# Altium PCB BTF16_2 (2).PcbDoc (part 1 of 4) (continued)
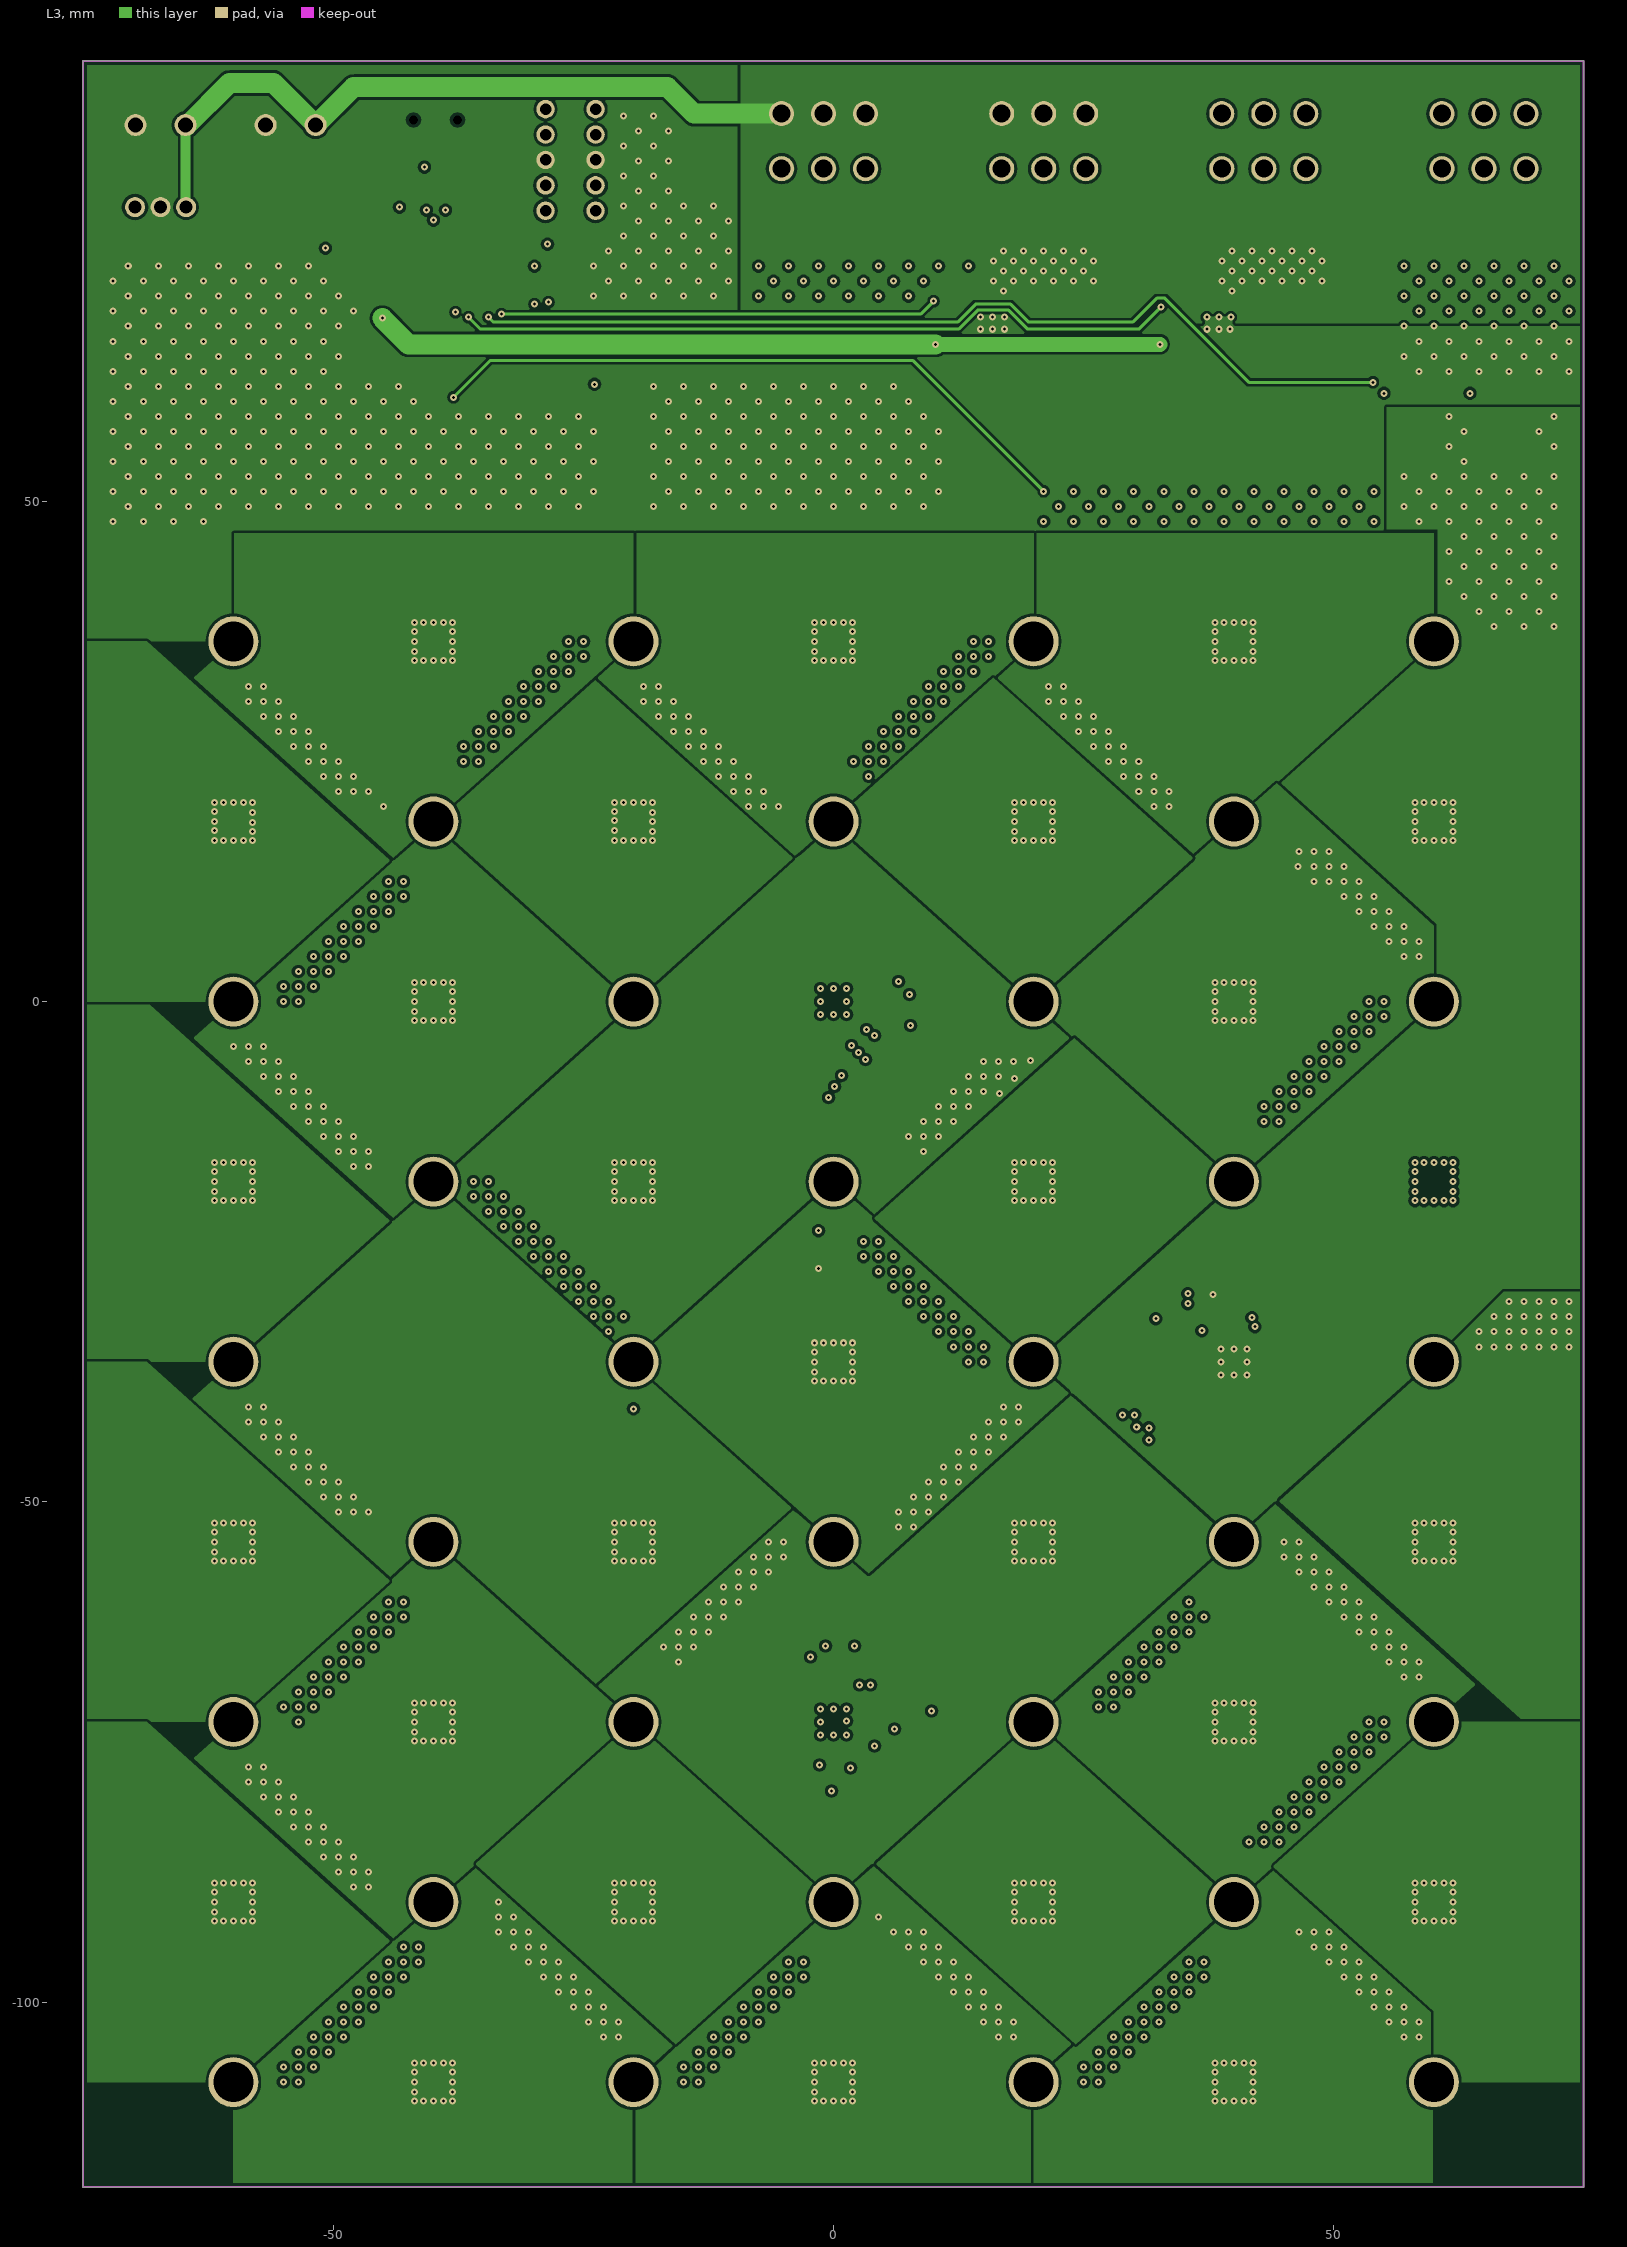
[diagram p3: L3]
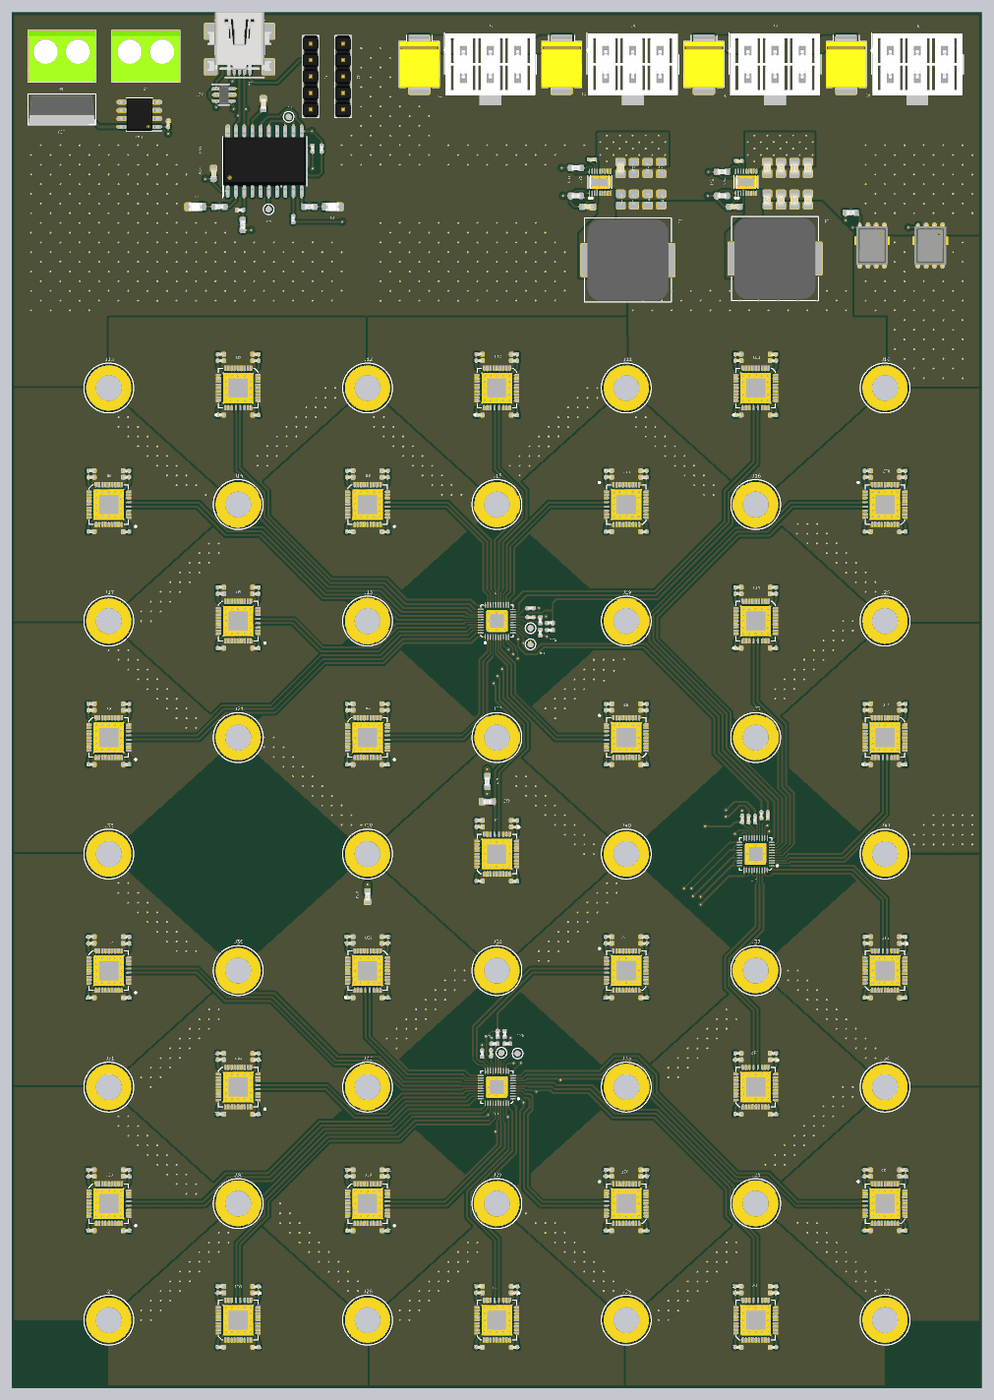
[diagram p7: 3D render of the assembled board from above, using the file's embedded part models]

## Layer stack, top to bottom
L1: signal copper 0.048
Dielectric: dielectric 0.18, FR-4, Dk 4.75
L2: signal copper 0.035
Dielectric: dielectric 1.08, FR-4, Dk 4.3
L3: signal copper 0.035
Dielectric: dielectric 0.18, FR-4, Dk 4.3
L4: signal copper 0.048

## Board outline
74.975,-118.486 -75.025,-118.486 -75.025,94.014 74.975,94.014

## Design rules (kind name [scope] priority, off if disabled: settings)
Clearance [InPolygon] p1: gap=0.3
Clearance "'Default' PADS rule_13" [All] p2: gap=0.2
Clearance "'Default' PADS rule_12" [InPolygon vs InPolygon] p3: gap=0.3
Clearance "'Default' PADS rule_11" [All] p4: gap=0.2
Clearance "'Default' PADS rule_8" [IsVia vs IsVia] p5: gap=0.1
ComponentClearance "'Default' PADS rule_5" [All] p1: gap=0 collisioncheckmode=3 verticalgap=0.254 showdistances=FALSE
PlaneClearance "Power Plane Clearance for J6-2" [(Name='J6-2') Or (Name='J7-1') Or (Name='J7-2') Or (Name='J8-1') Or (Name='J8-2') Or (Name='J8-3') Or (Name='J8-4') Or (Name='J8-5') Or (Name='J8-6') Or (Name='J9-1') Or (Name='J9-2') Or (Name='J9-3') Or (Name='J9-4') Or (Name='J9-5') Or (Name='J9-6') Or (Name='U30-1') Or (Name='U30-2') Or (Name='U30-3')] p1: clearance=0.5 // PAD - Power Plane Clearance
PlaneClearance "Power Plane Clearance for J3-10" [(Name='J3-10') Or (Name='J3-11')] p2: clearance=0.4 // PAD - Power Plane Clearance
PlaneClearance "Power Plane Clearance for J1-1" [(Name='J1-1') Or (Name='J1-2') Or (Name='J1-3') Or (Name='J1-4') Or (Name='J1-5') Or (Name='J10-1') Or (Name='J11-1') Or (Name='J12-1') Or (Name='J13-1') Or (Name='J14-1') Or (Name='J15-1') Or (Name='J16-1') Or (Name='J17-1') Or (Name='J18-1') Or (Name='J19-1') Or (Name='J2-1') Or (Name='J2-2') Or (Name='J2-3') Or (Name='J2-4') Or (Name='J2-5') Or (Name='J20-1') Or (Name='J21-1') Or (Name='J22-1') Or (Name='J23-1') Or (Name='J24-1') Or (Name='J25-1') Or (Name='J26-1') Or (Name='J27-1') Or (Name='J28-1') Or (Name='J29-1') Or (Name='J30-1') Or (Name='J31-1') Or (Name='J32-1') Or (Name='J33-1') Or (Name='J34-1') Or (Name='J35-1') Or (Name='J36-1') Or (Name='J37-1') Or (Name='J38-1') Or (Name='J39-1') Or (Name='J4-1') Or (Name='J4-2') Or (Name='J4-3') Or (Name='J4-4') Or (Name='J4-5') Or (Name='J4-6') Or (Name='J40-1') Or (Name='J41-1') Or (Name='J5-1') Or (Name='J5-2') Or (Name='J5-3') Or (Name='J5-4') Or (Name='J5-5') Or (Name='J5-6') Or (Name='J6-1')] p3: clearance=0.5 // PAD - Power Plane Clearance
PlaneClearance "'Default' PADS rule_7" [All] p4: clearance=0.3
PlaneConnect "Power Plane Connect Style for VIA70-30-95" [IsVia And (ViaDiameter=27.559) And (HoleSize=11.811)] p1: planeconnectstyle=Relief reliefexpansion=0.2 reliefentries=4 reliefconductorwidth=0.3 reliefairgap=0.254
PlaneConnect "Power Plane Connect Style for U30-1" [(Name='U30-1')] p2: planeconnectstyle=Relief reliefexpansion=0.3 reliefentries=4 reliefconductorwidth=0.3 reliefairgap=0.2
PlaneConnect "Power Plane Connect Style for J9-6" [(Name='J9-6')] p3: planeconnectstyle=Relief reliefexpansion=0.3 reliefentries=4 reliefconductorwidth=0.38 reliefairgap=0.254
PlaneConnect "Power Plane Connect Style for J9-5" [(Name='J9-5')] p4: planeconnectstyle=Relief reliefexpansion=0.3 reliefentries=4 reliefconductorwidth=0.38 reliefairgap=0.254
PlaneConnect "Power Plane Connect Style for J9-4" [(Name='J9-4')] p5: planeconnectstyle=Relief reliefexpansion=0.3 reliefentries=4 reliefconductorwidth=0.38 reliefairgap=0.254
PlaneConnect "Power Plane Connect Style for J9-3" [(Name='J9-3')] p6: planeconnectstyle=Relief reliefexpansion=0.3 reliefentries=4 reliefconductorwidth=0.38 reliefairgap=0.254
PlaneConnect "Power Plane Connect Style for J9-2" [(Name='J9-2')] p7: planeconnectstyle=Relief reliefexpansion=0.3 reliefentries=4 reliefconductorwidth=0.38 reliefairgap=0.254
PlaneConnect "Power Plane Connect Style for J9-1" [(Name='J9-1')] p8: planeconnectstyle=Relief reliefexpansion=0.3 reliefentries=4 reliefconductorwidth=0.38 reliefairgap=0.254
PlaneConnect "Power Plane Connect Style for J8-6" [(Name='J8-6')] p9: planeconnectstyle=Relief reliefexpansion=0.3 reliefentries=4 reliefconductorwidth=0.38 reliefairgap=0.254
PlaneConnect "Power Plane Connect Style for J8-5" [(Name='J8-5')] p10: planeconnectstyle=Relief reliefexpansion=0.3 reliefentries=4 reliefconductorwidth=0.38 reliefairgap=0.254
PlaneConnect "Power Plane Connect Style for J8-4" [(Name='J8-4')] p11: planeconnectstyle=Relief reliefexpansion=0.3 reliefentries=4 reliefconductorwidth=0.38 reliefairgap=0.254
PlaneConnect "Power Plane Connect Style for J8-3" [(Name='J8-3')] p12: planeconnectstyle=Relief reliefexpansion=0.3 reliefentries=4 reliefconductorwidth=0.38 reliefairgap=0.254
PlaneConnect "Power Plane Connect Style for J8-2" [(Name='J8-2')] p13: planeconnectstyle=Relief reliefexpansion=0.3 reliefentries=4 reliefconductorwidth=0.38 reliefairgap=0.254
PlaneConnect "Power Plane Connect Style for J8-1" [(Name='J8-1')] p14: planeconnectstyle=Relief reliefexpansion=0.3 reliefentries=4 reliefconductorwidth=0.38 reliefairgap=0.254
PlaneConnect "Power Plane Connect Style for J6-1" [(Name='J6-1')] p15: planeconnectstyle=Relief reliefexpansion=0.3 reliefentries=4 reliefconductorwidth=0.33 reliefairgap=0.2
PlaneConnect "Power Plane Connect Style for J5-6" [(Name='J5-6')] p16: planeconnectstyle=Relief reliefexpansion=0.3 reliefentries=4 reliefconductorwidth=0.38 reliefairgap=0.254
PlaneConnect "Power Plane Connect Style for J5-5" [(Name='J5-5')] p17: planeconnectstyle=Relief reliefexpansion=0.3 reliefentries=4 reliefconductorwidth=0.38 reliefairgap=0.254
PlaneConnect "Power Plane Connect Style for J5-4" [(Name='J5-4')] p18: planeconnectstyle=Relief reliefexpansion=0.3 reliefentries=4 reliefconductorwidth=0.38 reliefairgap=0.254
PlaneConnect "Power Plane Connect Style for J5-3" [(Name='J5-3')] p19: planeconnectstyle=Relief reliefexpansion=0.3 reliefentries=4 reliefconductorwidth=0.38 reliefairgap=0.254
PlaneConnect "Power Plane Connect Style for J5-2" [(Name='J5-2')] p20: planeconnectstyle=Relief reliefexpansion=0.3 reliefentries=4 reliefconductorwidth=0.38 reliefairgap=0.254
PlaneConnect "Power Plane Connect Style for J5-1" [(Name='J5-1')] p21: planeconnectstyle=Relief reliefexpansion=0.3 reliefentries=4 reliefconductorwidth=0.38 reliefairgap=0.254
PlaneConnect "Power Plane Connect Style for J4-6" [(Name='J4-6')] p22: planeconnectstyle=Relief reliefexpansion=0.3 reliefentries=4 reliefconductorwidth=0.38 reliefairgap=0.254
PlaneConnect "Power Plane Connect Style for J4-5" [(Name='J4-5')] p23: planeconnectstyle=Relief reliefexpansion=0.3 reliefentries=4 reliefconductorwidth=0.38 reliefairgap=0.254
PlaneConnect "Power Plane Connect Style for J4-4" [(Name='J4-4')] p24: planeconnectstyle=Relief reliefexpansion=0.3 reliefentries=4 reliefconductorwidth=0.38 reliefairgap=0.254
PlaneConnect "Power Plane Connect Style for J4-3" [(Name='J4-3')] p25: planeconnectstyle=Relief reliefexpansion=0.3 reliefentries=4 reliefconductorwidth=0.38 reliefairgap=0.254
PlaneConnect "Power Plane Connect Style for J4-2" [(Name='J4-2')] p26: planeconnectstyle=Relief reliefexpansion=0.3 reliefentries=4 reliefconductorwidth=0.38 reliefairgap=0.254
PlaneConnect "Power Plane Connect Style for J4-1" [(Name='J4-1')] p27: planeconnectstyle=Relief reliefexpansion=0.3 reliefentries=4 reliefconductorwidth=0.38 reliefairgap=0.254
PlaneConnect "Power Plane Connect Style - pads with no thermal" [(Name='J10-1') Or (Name='J11-1') Or (Name='J12-1') Or (Name='J13-1') Or (Name='J14-1') Or (Name='J15-1') Or (Name='J16-1') Or (Name='J17-1') Or (Name='J18-1') Or (Name='J19-1') Or (Name='J20-1') Or (Name='J21-1') Or (Name='J22-1') Or (Name='J23-1') Or (Name='J24-1') Or (Name='J25-1') Or (Name='J26-1') Or (Name='J27-1') Or (Name='J28-1') Or (Name='J29-1') Or (Name='J3-10') Or (Name='J3-11') Or (Name='J30-1') Or (Name='J31-1') Or (Name='J32-1') Or (Name='J33-1') Or (Name='J34-1') Or (Name='J35-1') Or (Name='J36-1') Or (Name='J37-1') Or (Name='J38-1') Or (Name='J39-1') Or (Name='J40-1') Or (Name='J41-1')] p28: planeconnectstyle=NoConnect reliefexpansion=0.508 reliefentries=4 reliefconductorwidth=0.254 reliefairgap=0.254 // PAD - No Thermal Connect Rule
PlaneConnect "Power Plane Connect Style for J1-1" [(Name='J1-1')] p29: planeconnectstyle=Relief reliefexpansion=0.3 reliefentries=4 reliefconductorwidth=0.28 reliefairgap=0.2
PlaneConnect "Power Plane Connect Style - Via from round thru-hole global defaults" [IsVia] p30: planeconnectstyle=Relief reliefexpansion=0.508 reliefentries=4 reliefconductorwidth=0.5 reliefairgap=0.254
PlaneConnect "Power Plane Connect Style - Round thru-hole pad from global defaults" [IsPad And OnMultiLayer And (PadShape_MidLayer1 = 'Round') And (PadXSize_MidLayer1 = PadYSize_MidLayer1)] p31: planeconnectstyle=Relief reliefexpansion=0.508 reliefentries=4 reliefconductorwidth=0.5 reliefairgap=0.254
PlaneConnect "Power Plane Connect Style - Square thru-hole pad from global defaults" [IsPad And OnMultiLayer And ((PadShape_MidLayer1 = 'Rectangular') Or (PadShape_MidLayer1 = 'Octagonal') Or (PadShape_MidLayer1 = 'Rounded Rectangle')) And (PadXSize_MidLayer1 = PadYSize_MidLayer1)] p32: planeconnectstyle=Relief reliefexpansion=0.508 reliefentries=4 reliefconductorwidth=0.5 reliefairgap=0.254
PlaneConnect "Power Plane Connect Style - Rect thru-hole pad from global defaults" [IsPad And OnMultiLayer And ((PadShape_MidLayer1 = 'Rectangular') Or (PadShape_MidLayer1 = 'Octagonal') Or (PadShape_MidLayer1 = 'Rounded Rectangle')) And (PadXSize_MidLayer1 <> PadYSize_MidLayer1)] p33: planeconnectstyle=Relief reliefexpansion=0.508 reliefentries=4 reliefconductorwidth=0.5 reliefairgap=0.254
PlaneConnect "Power Plane Connect Style - Square-rect thru-hole pad from global defaults" [IsPad And OnMultiLayer And (PadShape_MidLayer1 = 'Rounded Rectangle') And (PadXSize_MidLayer1 = PadYSize_MidLayer1) And (Pad_CornerRadius_MidLayer1 = '0%')] p34: planeconnectstyle=Relief reliefexpansion=0.508 reliefentries=4 reliefconductorwidth=0.5 reliefairgap=0.254
PlaneConnect "Power Plane Connect Style - Oval thru-hole pad from global defaults" [IsPad And OnMultiLayer And (PadShape_MidLayer1 = 'Round') And (PadXSize_MidLayer1 <> PadYSize_MidLayer1)] p35: planeconnectstyle=Relief reliefexpansion=0.508 reliefentries=4 reliefconductorwidth=0.5 reliefairgap=0.254
PlaneConnect "Power Plane Connect Style - Round-oval thru-hole pad from global defaults" [IsPad And OnMultiLayer And (PadShape_MidLayer1 = 'Rounded Rectangle') And (PadXSize_MidLayer1 = PadYSize_MidLayer1) And (Pad_CornerRadius_MidLayer1 = '100%')] p36: planeconnectstyle=Relief reliefexpansion=0.508 reliefentries=4 reliefconductorwidth=0.5 reliefairgap=0.254
PolygonConnect PolygonConnect_2 [InPadClass('Flooded')] p1: connectstyle=Direct reliefconductorwidth=0.254 reliefentries=4 polygonreliefangle="90 Angle" airgapwidth=0.254
PolygonConnect PolygonConnect_1 [IsVia] p2: connectstyle=Direct reliefconductorwidth=0.254 reliefentries=4 polygonreliefangle="90 Angle" airgapwidth=0.254
PolygonConnect "Polygon Connect Style - L4 Round SMD from global defaults" [IsSMTPin And (PadShape_BottomLayer = 'Round') And (PadXSize_BottomLayer = PADYSize_BottomLayer) vs Layer = 'L4'] p3: connectstyle=Relief reliefconductorwidth=0.3 reliefentries=4 polygonreliefangle="90 Angle" airgapwidth=0.254
PolygonConnect "Polygon Connect Style - L1 Round SMD from global defaults" [IsSMTPin And (PadShape_TopLayer = 'Round') And (PadXSize_TopLayer = PADYSize_TopLayer) vs Layer = 'L1'] p4: connectstyle=Relief reliefconductorwidth=0.3 reliefentries=4 polygonreliefangle="90 Angle" airgapwidth=0.254
PolygonConnect "Polygon Connect Style - L4 Square SMD from global defaults 1" [IsSMTPin And (PadShape_BottomLayer = 'Rectangular') And (PadXSize_BottomLayer = PADYSize_BottomLayer) vs Layer = 'L4'] p5: connectstyle=Relief reliefconductorwidth=0.3 reliefentries=4 polygonreliefangle="90 Angle" airgapwidth=0.254
PolygonConnect "Polygon Connect Style - L4 Square SMD from global defaults 2" [IsSMTPin And (PadShape_BottomLayer = 'Octagonal') And (PadXSize_BottomLayer = PADYSize_BottomLayer) vs Layer = 'L4'] p6: connectstyle=Relief reliefconductorwidth=0.3 reliefentries=4 polygonreliefangle="90 Angle" airgapwidth=0.254
PolygonConnect "Polygon Connect Style - L4 Square SMD from global defaults 3" [IsSMTPin And (PadShape_BottomLayer = 'Rounded Rectangle') And (PadXSize_BottomLayer = PADYSize_BottomLayer) vs Layer = 'L4'] p7: connectstyle=Relief reliefconductorwidth=0.3 reliefentries=4 polygonreliefangle="90 Angle" airgapwidth=0.254
PolygonConnect "Polygon Connect Style - L1 Square SMD from global defaults 1" [IsSMTPin And (PadShape_TopLayer = 'Rectangular') And (PadXSize_TopLayer = PADYSize_TopLayer) vs Layer = 'L1'] p8: connectstyle=Relief reliefconductorwidth=0.3 reliefentries=4 polygonreliefangle="90 Angle" airgapwidth=0.254
PolygonConnect "Polygon Connect Style - L1 Square SMD from global defaults 2" [IsSMTPin And (PadShape_TopLayer = 'Octagonal') And (PadXSize_TopLayer = PADYSize_TopLayer) vs Layer = 'L1'] p9: connectstyle=Relief reliefconductorwidth=0.3 reliefentries=4 polygonreliefangle="90 Angle" airgapwidth=0.254
PolygonConnect "Polygon Connect Style - L1 Square SMD from global defaults 3" [IsSMTPin And (PadShape_TopLayer = 'Rounded Rectangle') And (PadXSize_TopLayer = PADYSize_TopLayer) vs Layer = 'L1'] p10: connectstyle=Relief reliefconductorwidth=0.3 reliefentries=4 polygonreliefangle="90 Angle" airgapwidth=0.254
PolygonConnect "Polygon Connect Style - L4 Rect SMD from global defaults 1" [IsSMTPin And (PadShape_BottomLayer = 'Rectangular') And (PadXSize_BottomLayer <> PADYSize_BottomLayer) vs Layer = 'L4'] p11: connectstyle=Relief reliefconductorwidth=0.3 reliefentries=4 polygonreliefangle="90 Angle" airgapwidth=0.254
PolygonConnect "Polygon Connect Style - L4 Rect SMD from global defaults 2" [IsSMTPin And (PadShape_BottomLayer = 'Octagonal') And (PadXSize_BottomLayer <> PADYSize_BottomLayer) vs Layer = 'L4'] p12: connectstyle=Relief reliefconductorwidth=0.3 reliefentries=4 polygonreliefangle="90 Angle" airgapwidth=0.254
PolygonConnect "Polygon Connect Style - L4 Rect SMD from global defaults 3" [IsSMTPin And (PadShape_BottomLayer = 'Rounded Rectangle') And (PadXSize_BottomLayer <> PADYSize_BottomLayer) vs Layer = 'L4'] p13: connectstyle=Relief reliefconductorwidth=0.3 reliefentries=4 polygonreliefangle="90 Angle" airgapwidth=0.254
PolygonConnect "Polygon Connect Style - L4 Square-rect SMD pad from global defaults" [IsSMTPin And (PadShape_BottomLayer = 'Rounded Rectangle') And (PadXSize_BottomLayer = PADYSize_BottomLayer) And (Pad_CornerRadius_BottomLayer = '0%') vs Layer = 'L4'] p14: connectstyle=Relief reliefconductorwidth=0.3 reliefentries=4 polygonreliefangle="90 Angle" airgapwidth=0.254
PolygonConnect "Polygon Connect Style - L1 Rect SMD from global defaults 1" [IsSMTPin And (PadShape_TopLayer = 'Rectangular') And (PadXSize_TopLayer <> PADYSize_TopLayer) vs Layer = 'L1'] p15: connectstyle=Relief reliefconductorwidth=0.3 reliefentries=4 polygonreliefangle="90 Angle" airgapwidth=0.254
PolygonConnect "Polygon Connect Style - L1 Rect SMD from global defaults 2" [IsSMTPin And (PadShape_TopLayer = 'Octagonal') And (PadXSize_TopLayer <> PADYSize_TopLayer) vs Layer = 'L1'] p16: connectstyle=Relief reliefconductorwidth=0.3 reliefentries=4 polygonreliefangle="90 Angle" airgapwidth=0.254
PolygonConnect "Polygon Connect Style - L1 Rect SMD from global defaults 3" [IsSMTPin And (PadShape_TopLayer = 'Rounded Rectangle') And (PadXSize_TopLayer <> PADYSize_TopLayer) vs Layer = 'L1'] p17: connectstyle=Relief reliefconductorwidth=0.3 reliefentries=4 polygonreliefangle="90 Angle" airgapwidth=0.254
PolygonConnect "Polygon Connect Style - L1 Square-rect SMD pad from global defaults" [IsSMTPin And (PadShape_TopLayer = 'Rounded Rectangle') And (PadXSize_TopLayer = PADYSize_TopLayer) And (Pad_CornerRadius_TopLayer = '0%') vs Layer = 'L1'] p18: connectstyle=Relief reliefconductorwidth=0.3 reliefentries=4 polygonreliefangle="90 Angle" airgapwidth=0.254
PolygonConnect "Polygon Connect Style - L4 Oval SMD from global defaults" [IsSMTPin And (PadShape_BottomLayer = 'Round') And (PadXSize_BottomLayer <> PADYSize_BottomLayer) vs Layer = 'L4'] p19: connectstyle=Relief reliefconductorwidth=0.3 reliefentries=4 polygonreliefangle="90 Angle" airgapwidth=0.254
PolygonConnect "Polygon Connect Style - L4 Round-oval SMD pad from global defaults" [IsSMTPin And (PadShape_BottomLayer = 'Rounded Rectangle') And (PadXSize_BottomLayer = PADYSize_BottomLayer) And (Pad_CornerRadius_BottomLayer = '100%') vs Layer = 'L4'] p20: connectstyle=Relief reliefconductorwidth=0.3 reliefentries=4 polygonreliefangle="90 Angle" airgapwidth=0.254
PolygonConnect "Polygon Connect Style - L1 Oval SMD from global defaults" [IsSMTPin And (PadShape_TopLayer = 'Round') And (PadXSize_TopLayer <> PADYSize_TopLayer) vs Layer = 'L1'] p21: connectstyle=Relief reliefconductorwidth=0.3 reliefentries=4 polygonreliefangle="90 Angle" airgapwidth=0.254
PolygonConnect "Polygon Connect Style - L1 Round-oval SMD pad from global defaults" [IsSMTPin And (PadShape_TopLayer = 'Rounded Rectangle') And (PadXSize_TopLayer = PADYSize_TopLayer) And (Pad_CornerRadius_TopLayer = '100%') vs Layer = 'L1'] p22: connectstyle=Relief reliefconductorwidth=0.3 reliefentries=4 polygonreliefangle="90 Angle" airgapwidth=0.254
PolygonConnect "Polygon Connect Style - Via from round thru-hole global defaults_16" [IsVia] p23: connectstyle=Relief reliefconductorwidth=0.5 reliefentries=4 polygonreliefangle="90 Angle" airgapwidth=0.254
PolygonConnect "Polygon Connect Style - L4 Round thru-hole pad from global defaults" [IsPad And OnMultiLayer And (PadShape_BottomLayer = 'Round') And (PadXSize_BottomLayer = PADYSize_BottomLayer) vs Layer = 'L4'] p24: connectstyle=Relief reliefconductorwidth=0.5 reliefentries=4 polygonreliefangle="90 Angle" airgapwidth=0.254
PolygonConnect "Polygon Connect Style - Via from round thru-hole global defaults_15" [IsVia] p25: connectstyle=Relief reliefconductorwidth=0.5 reliefentries=4 polygonreliefangle="90 Angle" airgapwidth=0.254
PolygonConnect "Polygon Connect Style - L3 Round thru-hole pad from global defaults" [IsPad And OnMultiLayer And (PadShape_MidLayer2 = 'Round') And (PadXSize_MidLayer2 = PADYSize_MidLayer2) vs Layer = 'L3'] p26: connectstyle=Relief reliefconductorwidth=0.5 reliefentries=4 polygonreliefangle="90 Angle" airgapwidth=0.254
PolygonConnect "Polygon Connect Style - Via from round thru-hole global defaults_14" [IsVia] p27: connectstyle=Relief reliefconductorwidth=0.5 reliefentries=4 polygonreliefangle="90 Angle" airgapwidth=0.254
PolygonConnect "Polygon Connect Style - L2 Round thru-hole pad from global defaults" [IsPad And OnMultiLayer And (PadShape_MidLayer1 = 'Round') And (PadXSize_MidLayer1 = PADYSize_MidLayer1) vs Layer = 'L2'] p28: connectstyle=Relief reliefconductorwidth=0.5 reliefentries=4 polygonreliefangle="90 Angle" airgapwidth=0.254
PolygonConnect "Polygon Connect Style - Via from round thru-hole global defaults" [IsVia] p29: connectstyle=Relief reliefconductorwidth=0.5 reliefentries=4 polygonreliefangle="90 Angle" airgapwidth=0.254
PolygonConnect "Polygon Connect Style - L1 Round thru-hole pad from global defaults" [IsPad And OnMultiLayer And (PadShape_TopLayer = 'Round') And (PadXSize_TopLayer = PADYSize_TopLayer) vs Layer = 'L1'] p30: connectstyle=Relief reliefconductorwidth=0.5 reliefentries=4 polygonreliefangle="90 Angle" airgapwidth=0.254